# Altium PCB Блок 1а (БУ АРМ).PcbDoc (part 1 of 4) (continued)
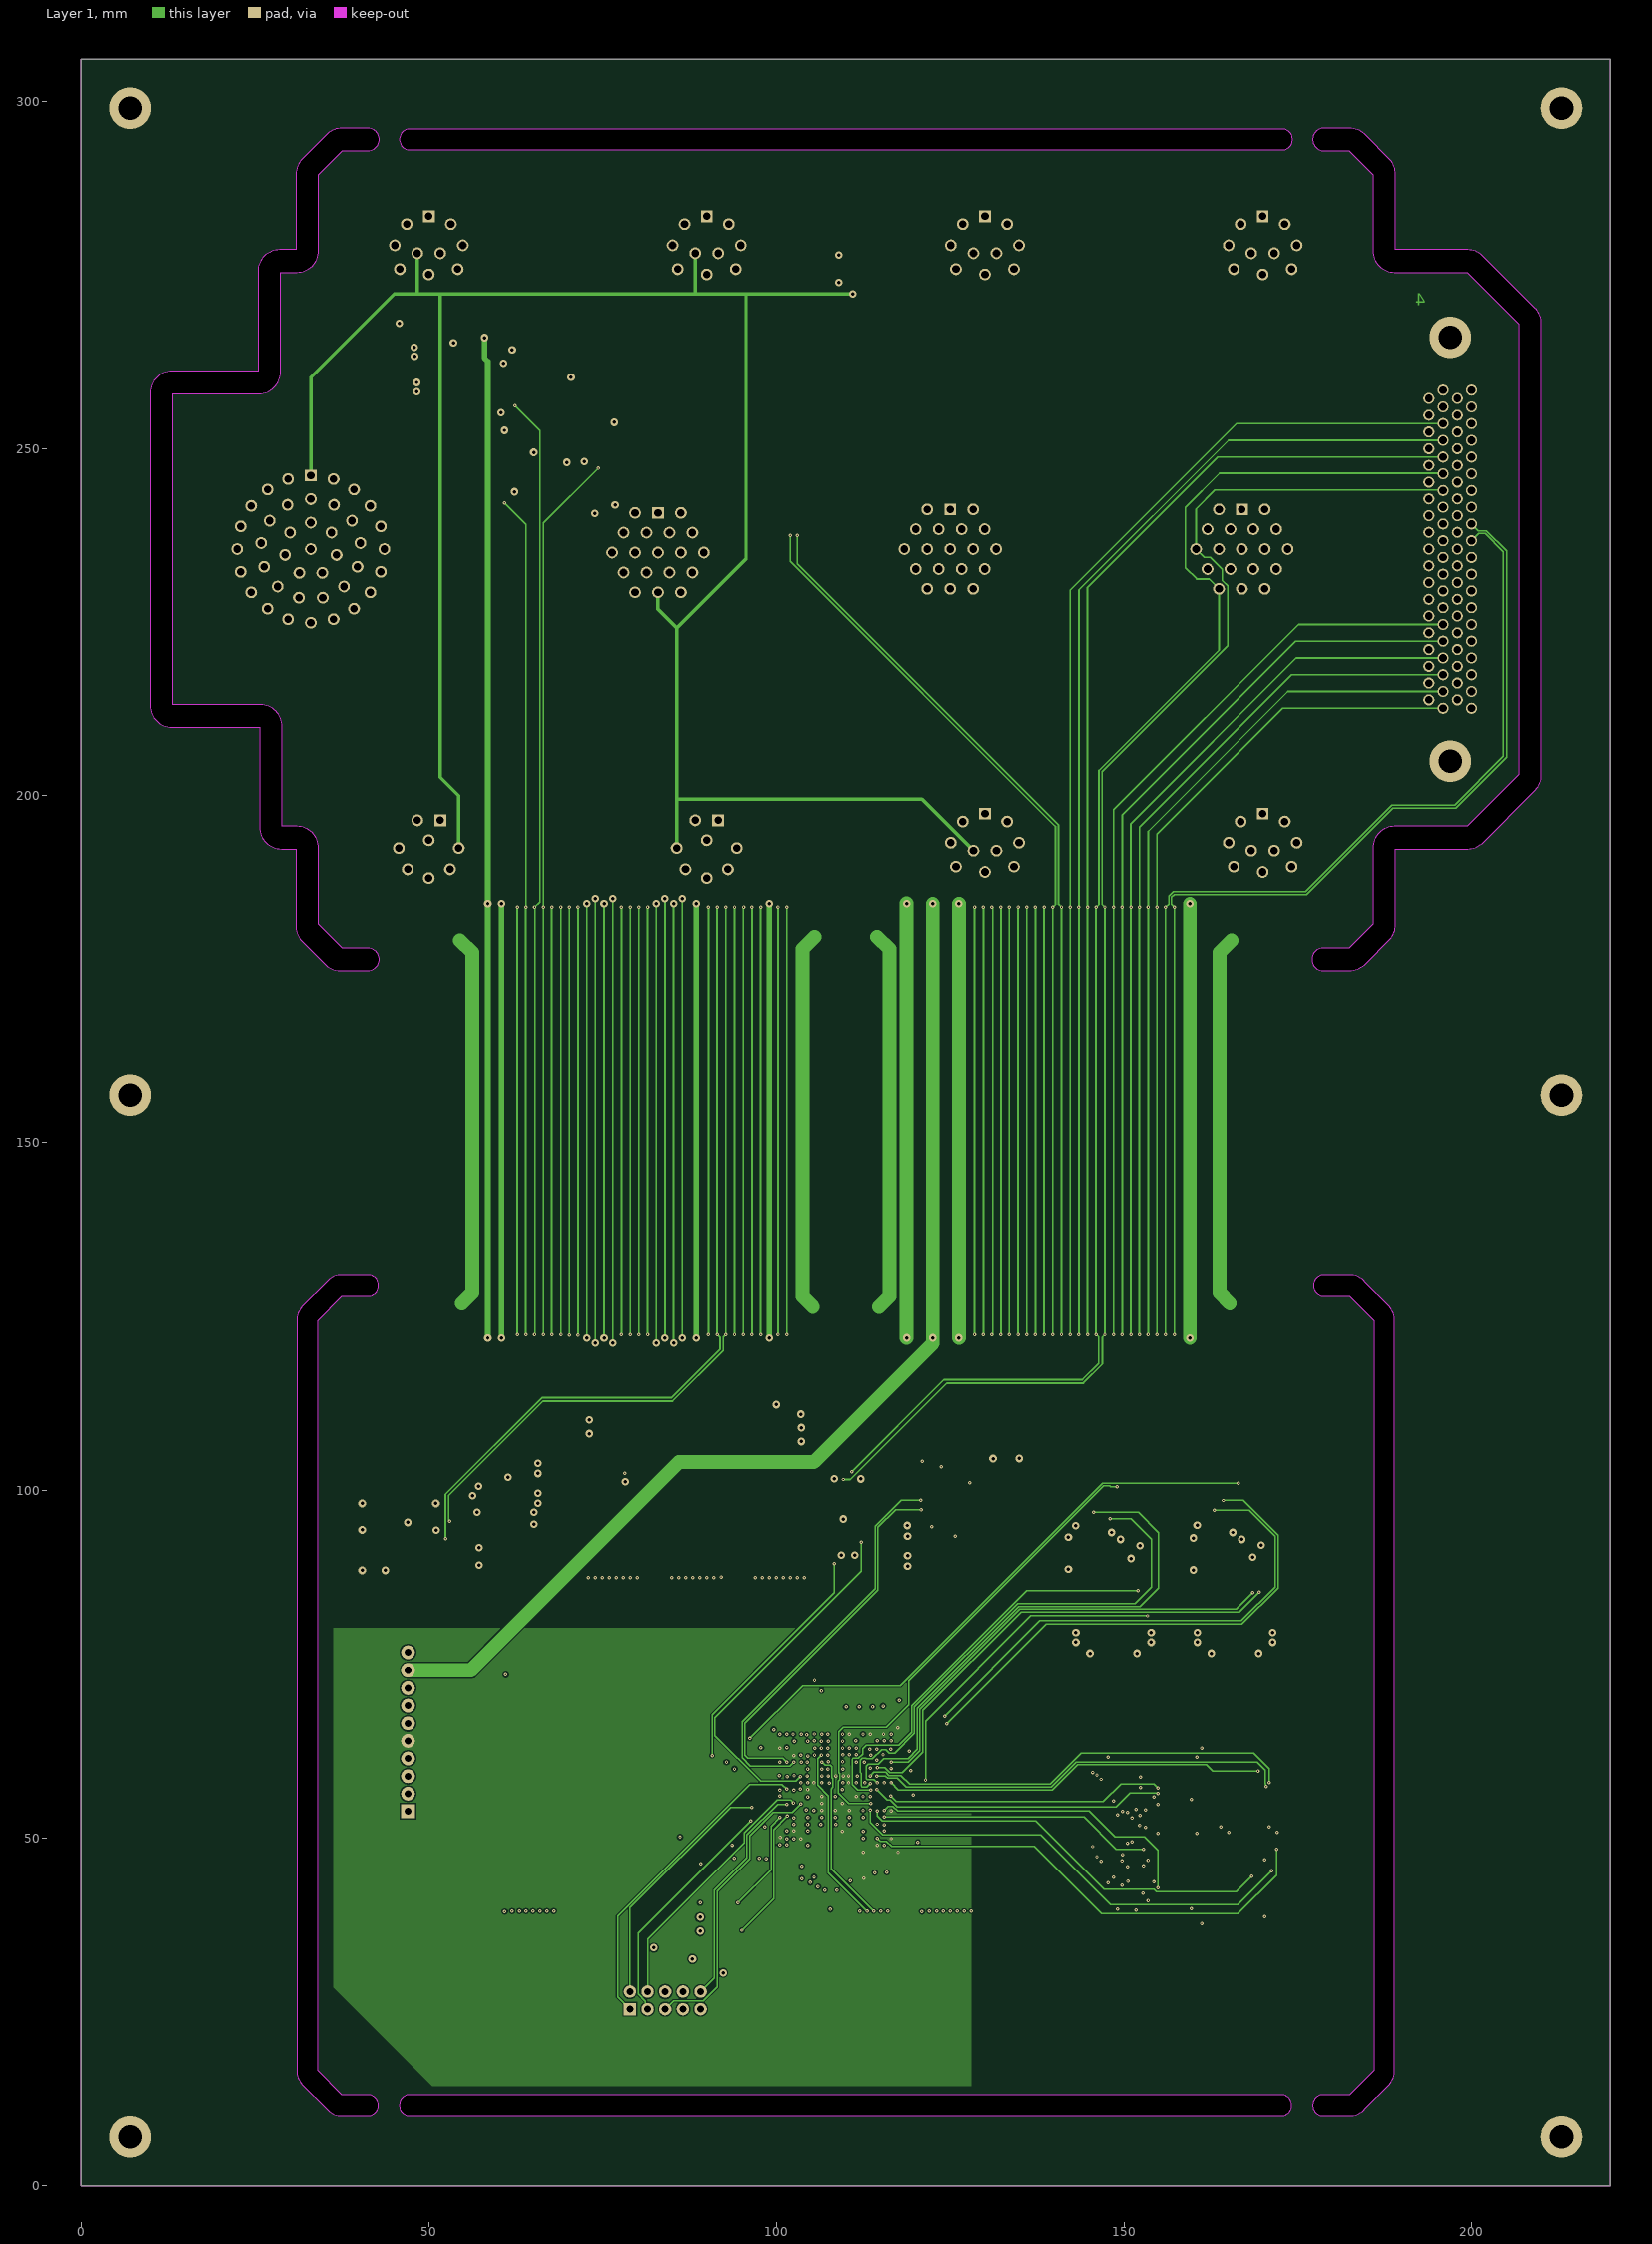
[diagram p4: Layer 1]
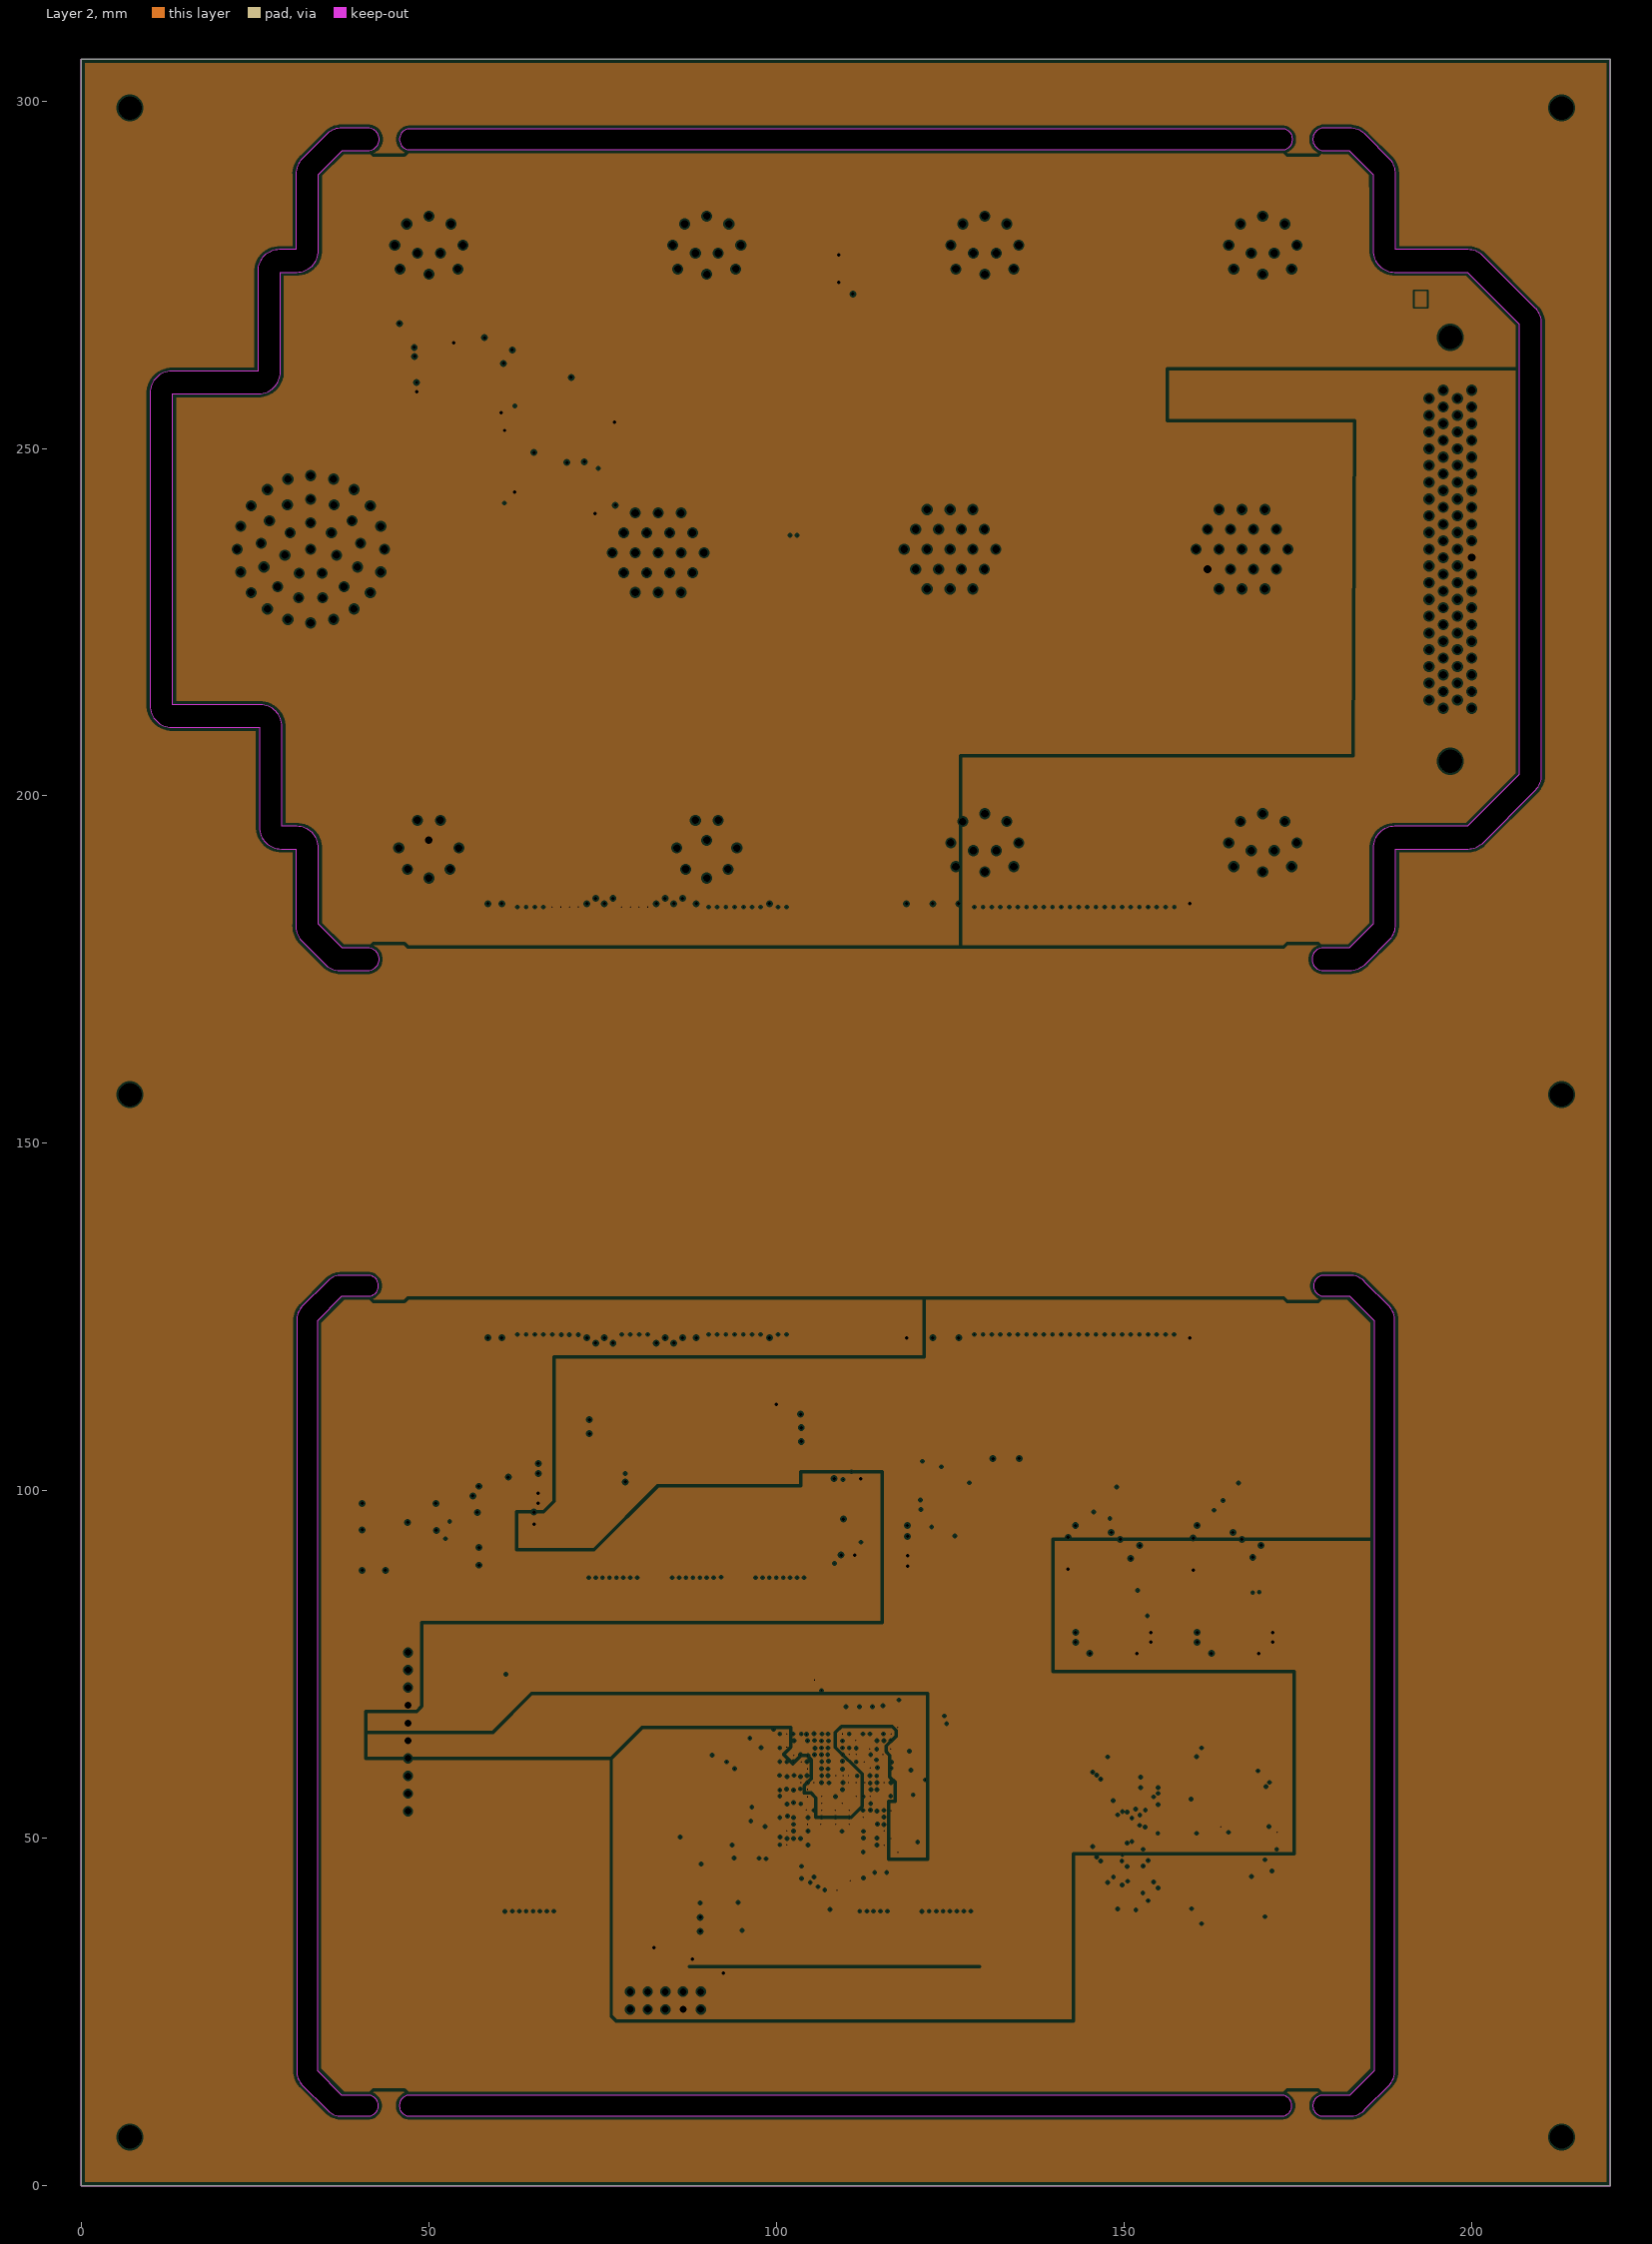
[diagram p5: Layer 2, clearances drawn from the general rule]
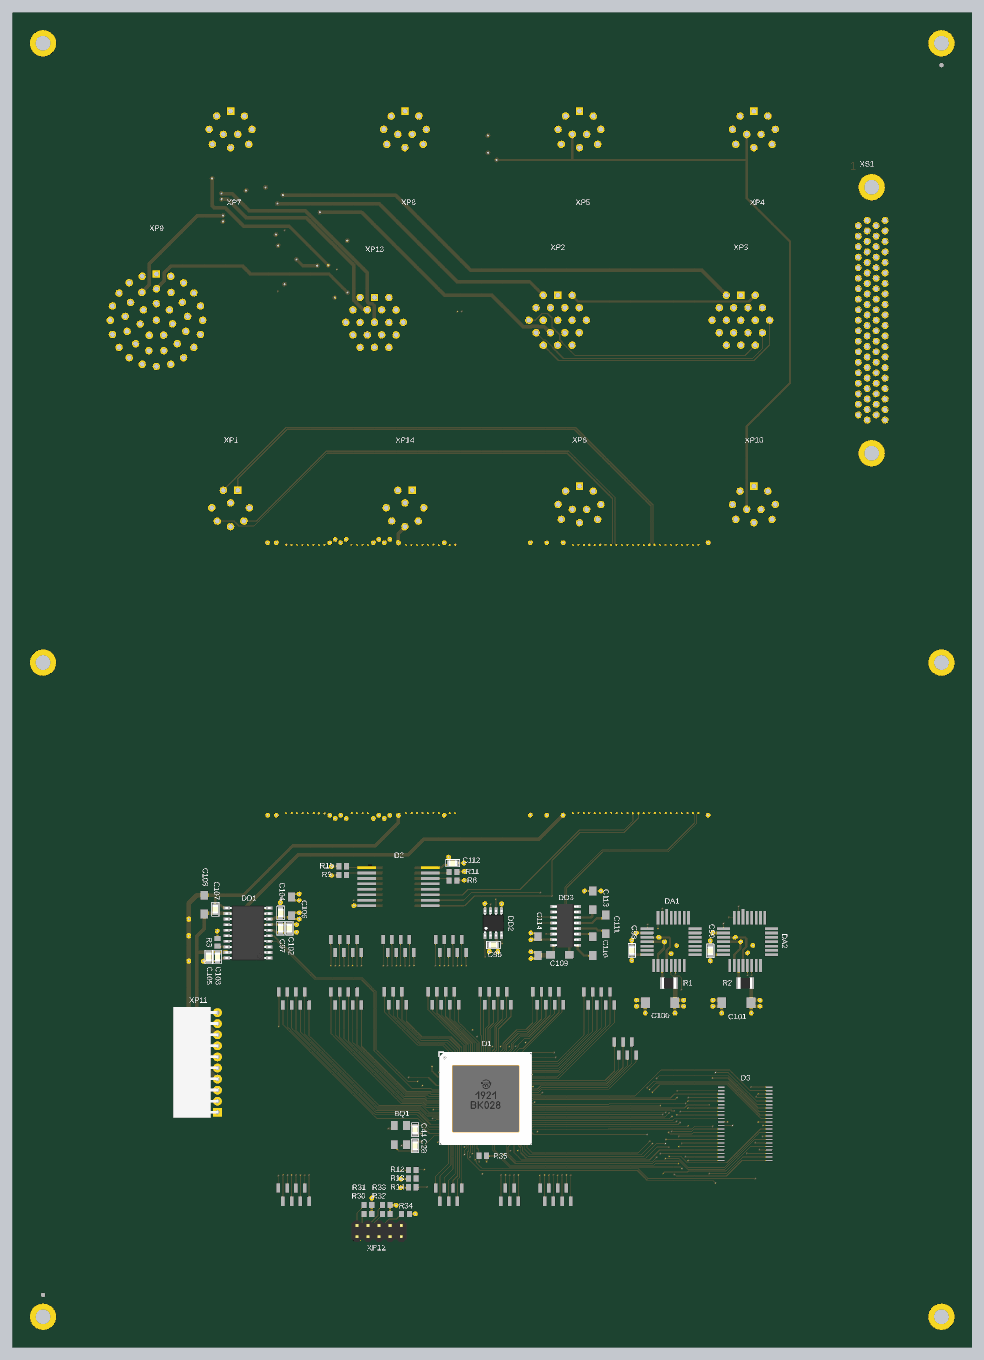
[diagram p9: 3D render of the assembled board from above, using the file's embedded part models]
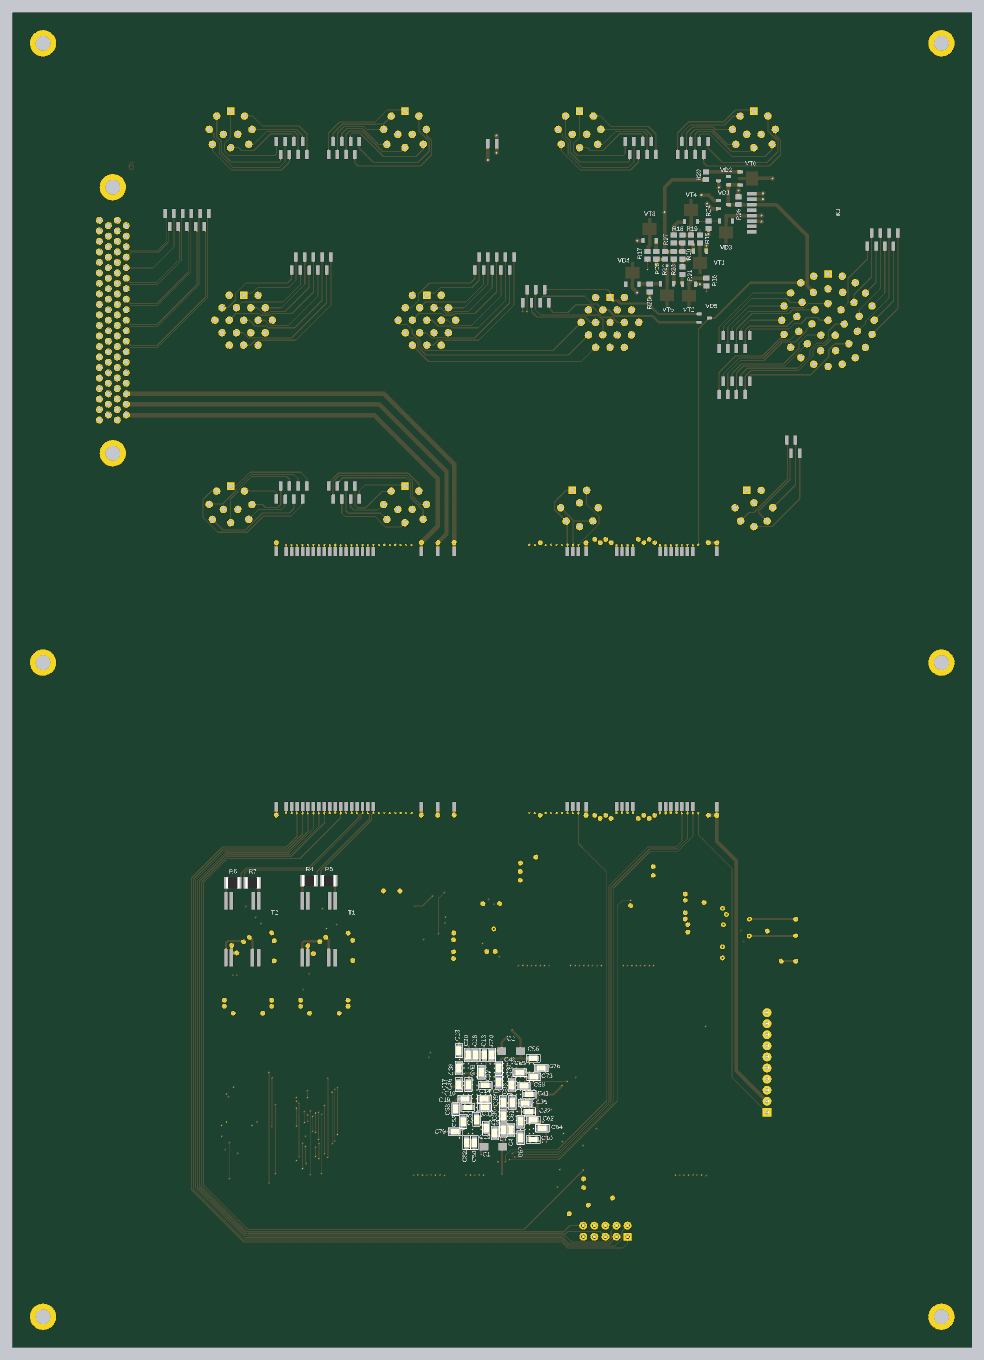
[diagram p10: 3D render of the assembled board from below, using the file's embedded part models]

## Layer stack, top to bottom
Top Solder, Top Mask: solder mask 0.0102, Solder Resist, Dk 3.5
Top Layer, Top: signal copper 0.0356
Dielectric 1: dielectric 0.15, FR-4, Dk 4.8
Internal Plane 1, gnd: plane copper 0.0356, net GND
Dielectric2: dielectric 0.7, Dk 1e+12
Mid-Layer 1, int1: signal copper 0.0356
Dielectric3: dielectric 0.15, Dk 1e+12
Layer 1: signal copper 0.0356
Dielectric 2: dielectric 0.7, Dk 1e+12
Layer 2: plane copper 0.0356, net (Multiple Nets)
Dielectric 3: dielectric 0.15, FR-4, Dk 4.8
Bottom Layer: signal copper 0.0356
Bottom Solder: solder mask 0.0102, Solder Resist, Dk 3.5

## Board outline
0,0 0,306 220,306 220,0
cut-out: 178.75,174.875 182.5,174.875 ccw(c182.512,178.005) 184.841,175.914 188.338,179.411 188.345,179.418 ccw(c185.913,181.517) 189.125,181.499 189.125,181.5 189.125,192.375 199.5,192.375 ccw(c199.514,195.505) 201.583,193.156 201.589,193.161 209.086,200.659 ccw(c206.995,202.988) 210.125,202.988 210.125,203 210.125,268 210.125,268.014 ccw(c206.995,268.014) 209.344,270.083 209.339,270.089 201.841,277.586 ccw(c199.512,275.495) 199.5,278.625 189.125,278.625 189.125,289.5 189.125,289.514 ccw(c185.995,289.514) 188.344,291.583 188.339,291.589 184.841,295.086 ccw(c182.512,292.995) 182.5,296.125 178.75,296.125 178.721,296.122 ccw(c178.825,294.5) 178.721,292.878 178.75,292.875 182.448,292.875 185.875,289.448 185.875,278.5 ccw(c189,278.5) 189,275.375 199.448,275.375 206.875,267.948 206.875,203.052 199.448,195.625 189,195.625 ccw(c189,192.5) 185.875,192.5 185.875,181.552 182.448,178.125 178.7,178.125 ccw(c178.7,176.5)
cut-out: 47.25,293 172.8,293 ccw(c172.8,294.5) 172.8,296 47.275,296 ccw(c47.275,294.5)
cut-out: 178.7,10 182.5,10 ccw(c182.553,12.912) 184.75,11 188.25,14.5 ccw(c185.913,16.517) 189,16.5 189,124.5 ccw(c185.995,124.514) 188.25,126.5 184.75,130 ccw(c182.512,127.995) 182.5,131 178.825,131 ccw(c178.825,129.5) 178.825,128 182.5,128 186,124.5 186,16.5 182.5,13 178.7,13 ccw(c178.7,11.5)
cut-out: 31,16.5 ccw(c34.005,16.486) 31.75,14.5 35.25,11 ccw(c37.447,12.912) 37.5,10 41.225,10 ccw(c41.225,11.5) 41.225,13 37.5,13 34,16.5 34,124.5 37.5,128 41.25,128 ccw(c41.25,129.5) 41.25,131 37.5,131 ccw(c37.488,127.995) 35.25,130 31.75,126.5 ccw(c34.005,124.514) 31,124.5
cut-out: 13,209.875 25.625,209.875 25.625,195.5 ccw(c28.75,195.5) 28.75,192.375 30.875,192.375 30.875,181.503 ccw(c34.3,181.35) 31.653,179.171 31.661,179.161 35.161,175.662 35.169,175.654 ccw(c37.325,178.225) 37.503,174.875 41.225,174.875 ccw(c41.225,176.5) 42.85,176.5 ccw(c41.225,176.5) 41.225,178.125 37.552,178.125 34.125,181.552 34.125,192.5 ccw(c31,192.5) 31,195.625 28.875,195.625 28.875,210 ccw(c25.75,210) 25.75,213.125 13.125,213.125 13.125,257.875 25.5,257.875 ccw(c25.5,261) 28.625,261 28.625,275.375 31,275.375 ccw(c31,278.5) 34.125,278.5 34.125,289.448 37.552,292.875 41.25,292.875 ccw(c41.25,294.5) 42.875,294.5 ccw(c41.25,294.5) 41.25,296.125 37.25,296.125 37.193,296.112 ccw(c37.486,292.995) 35.417,295.344 35.411,295.339 31.914,291.841 ccw(c34.005,289.512) 30.875,289.5 30.875,278.625 28.5,278.625 ccw(c28.5,275.5) 25.375,275.501 25.375,275.5 25.375,261.125 13,261.125 ccw(c13,258) 9.875,258 9.875,213 ccw(c13,213)
cut-out: 47.25,10 172.675,10 ccw(c172.675,11.5) 172.675,13 47.25,13 ccw(c47.25,11.5)
